# KiCad board FrontEnd_5G.kicad_pcb (continued)
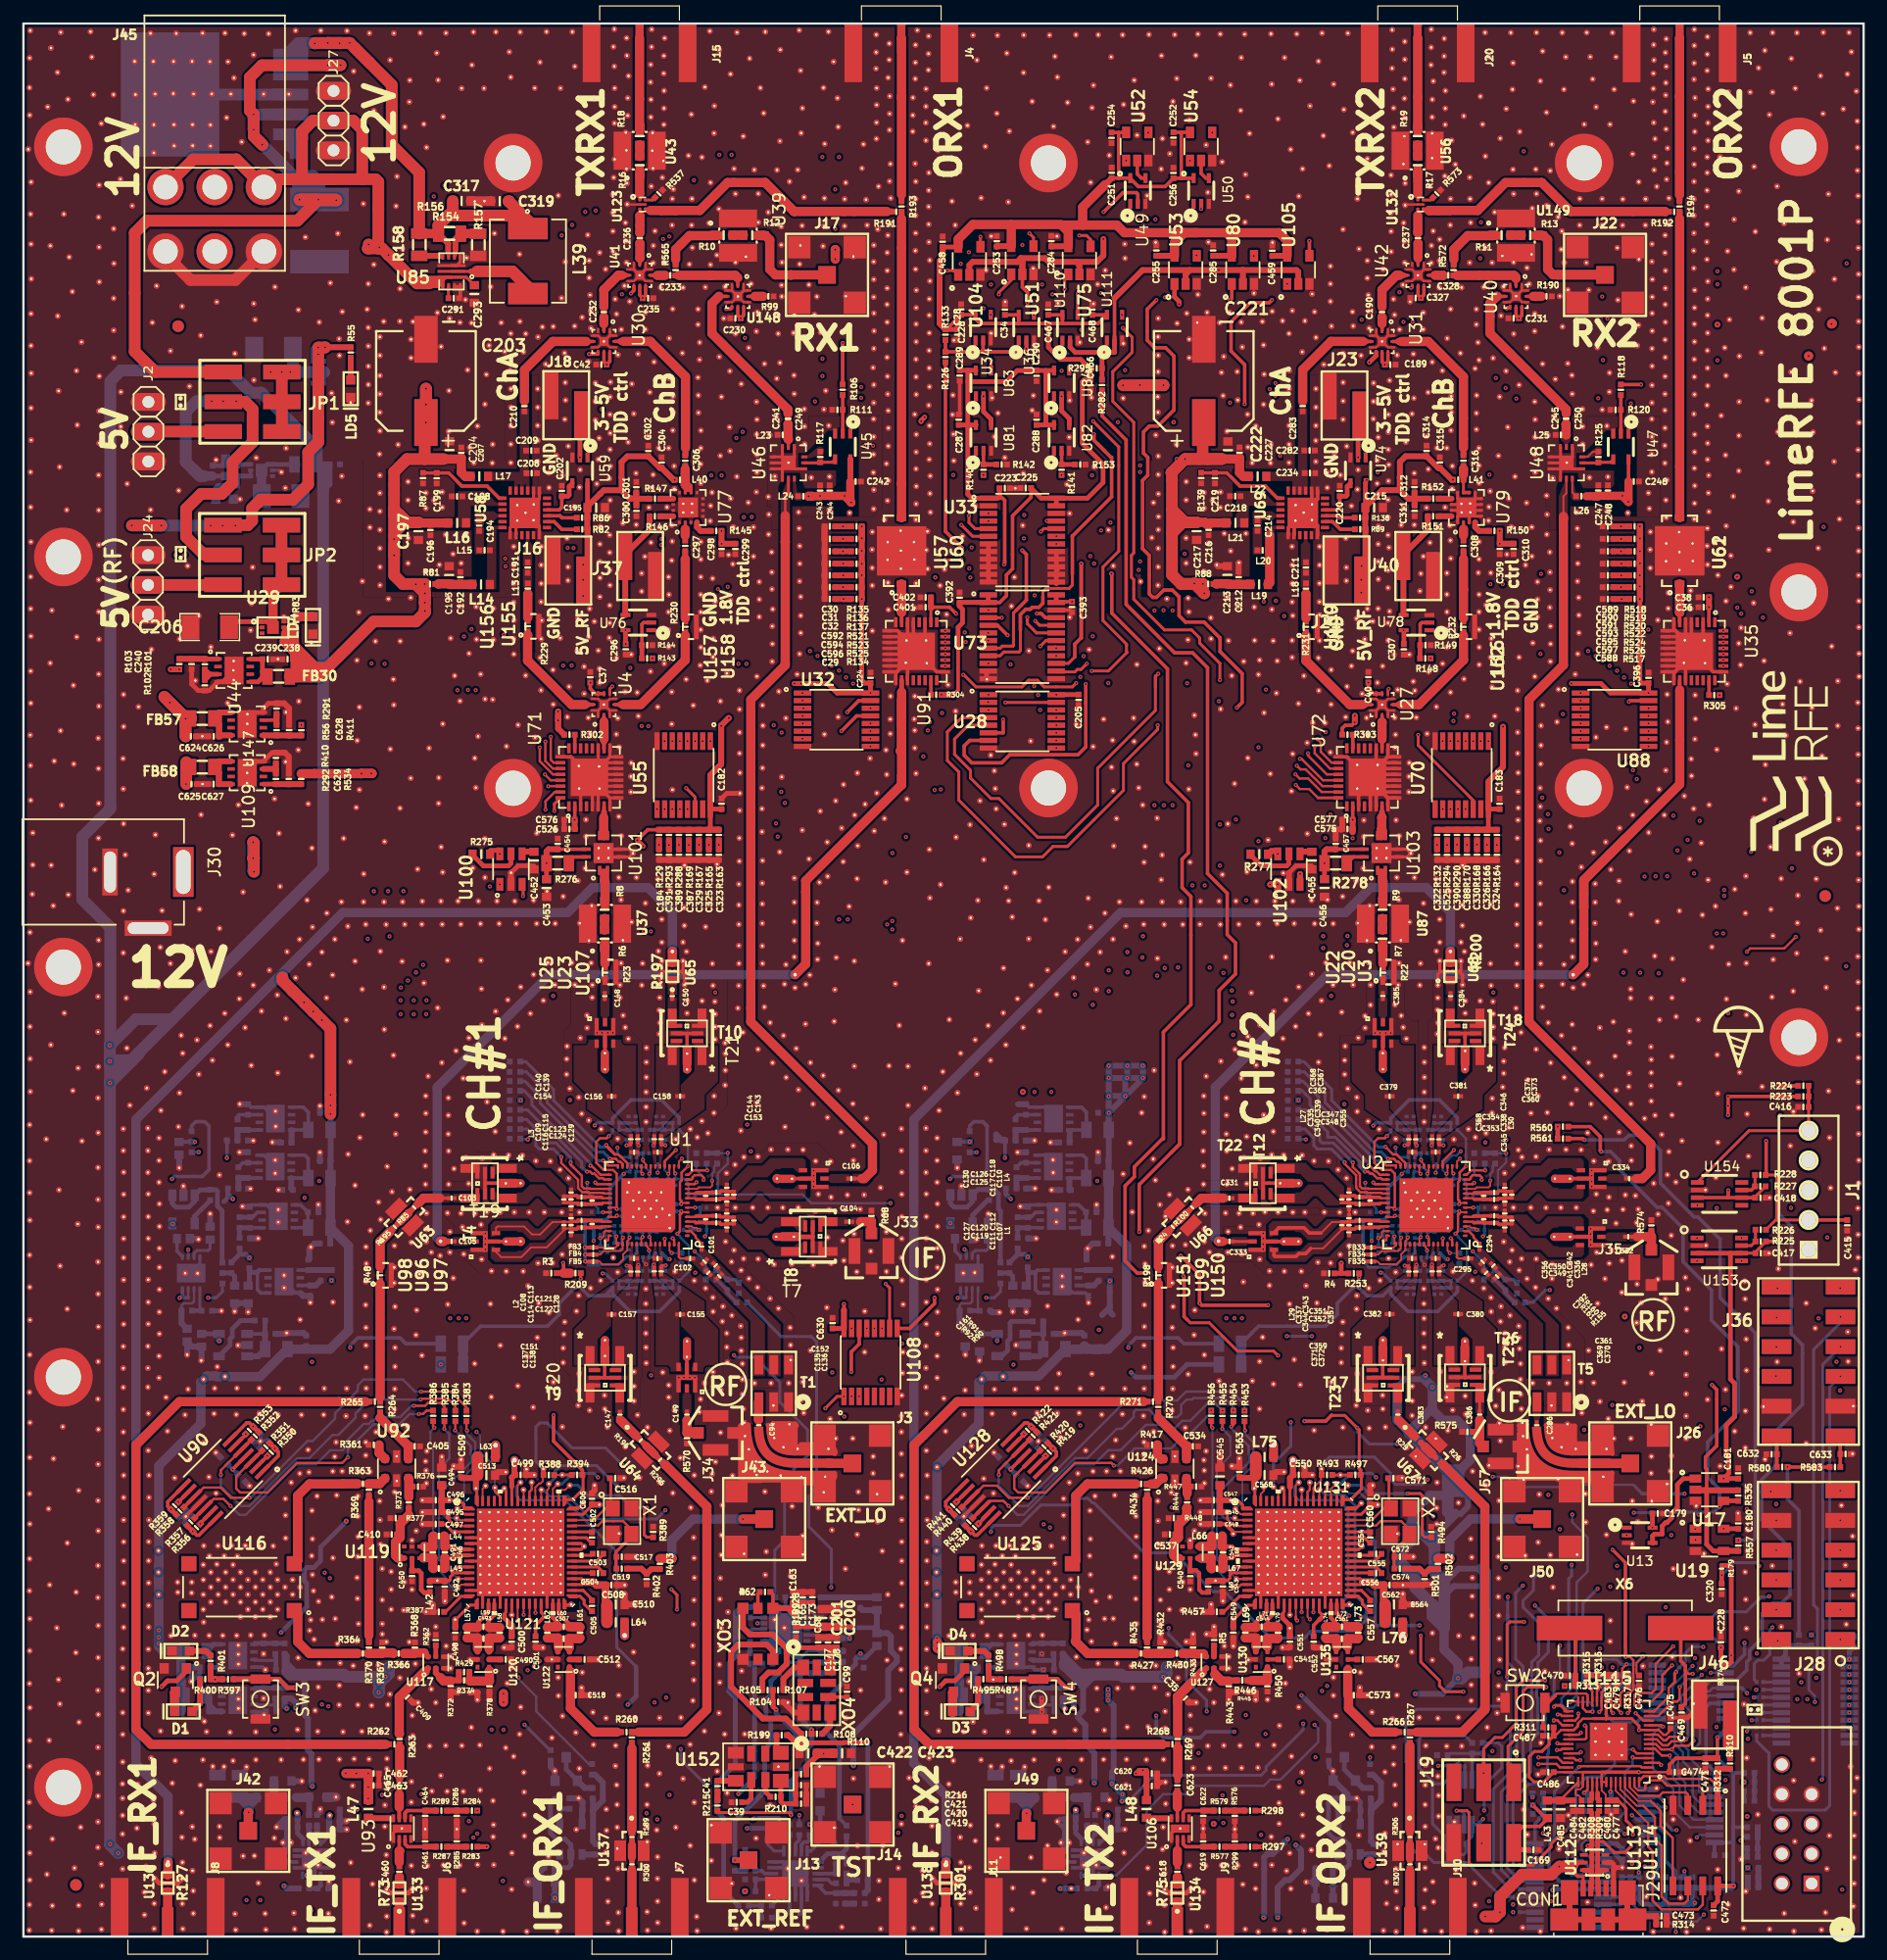
[diagram p0: board, top side]
## Nets (continued)
GND_VIA#1289. GND_VIA#1290. GND_VIA#1291. GND_VIA#1292. GND_VIA#1293. GND_VIA#1294. GND_VIA#1295. GND_VIA#1296. GND_VIA#1297. GND_VIA#1298. GND_VIA#1299. GND_VIA#1300. GND_VIA#1301. GND_VIA#1302. GND_VIA#1303. GND_VIA#1304. GND_VIA#1305. GND_VIA#1306. GND_VIA#1307. GND_VIA#1308. GND_VIA#1309. GND_VIA#1310. GND_VIA#1311. GND_VIA#1312. GND_VIA#1313. GND_VIA#1314. GND_VIA#1315. GND_VIA#1316. GND_VIA#1317. GND_VIA#1318. GND_VIA#1319. GND_VIA#1320. GND_VIA#1321. GND_VIA#1322. GND_VIA#1323. GND_VIA#1324. GND_VIA#1325. GND_VIA#1326. GND_VIA#1327. GND_VIA#1328. GND_VIA#1329. GND_VIA#1330. GND_VIA#1331. GND_VIA#1332. GND_VIA#1333. GND_VIA#1334. GND_VIA#1335. GND_VIA#1336. GND_VIA#1337. GND_VIA#1338. GND_VIA#1339. GND_VIA#1340. GND_VIA#1341. GND_VIA#1342. GND_VIA#1343. GND_VIA#1344. GND_VIA#1345. GND_VIA#1346. GND_VIA#1347. GND_VIA#1348. GND_VIA#1349. GND_VIA#1350. GND_VIA#1351. GND_VIA#1352. GND_VIA#1353. GND_VIA#1354. GND_VIA#1355. GND_VIA#1356. GND_VIA#1357. GND_VIA#1358. GND_VIA#1359. GND_VIA#1360. GND_VIA#1361. GND_VIA#1362. GND_VIA#1363. GND_VIA#1364. GND_VIA#1365. GND_VIA#1366. GND_VIA#1367. GND_VIA#1368. GND_VIA#1369. GND_VIA#1370. GND_VIA#1371. GND_VIA#1372. GND_VIA#1373. GND_VIA#1374. GND_VIA#1375. GND_VIA#1376. GND_VIA#1377. GND_VIA#1378. GND_VIA#1379. GND_VIA#1380. GND_VIA#1381. GND_VIA#1382. GND_VIA#1383. GND_VIA#1384. GND_VIA#1385. GND_VIA#1386. GND_VIA#1387. GND_VIA#1388. GND_VIA#1389. GND_VIA#1390. GND_VIA#1391. GND_VIA#1392. GND_VIA#1393. GND_VIA#1394. GND_VIA#1395. GND_VIA#1396. GND_VIA#1397. GND_VIA#1398. GND_VIA#1399. GND_VIA#1400. GND_VIA#1401. GND_VIA#1402. GND_VIA#1403. GND_VIA#1404. GND_VIA#1406. GND_VIA#1407. GND_VIA#1408. GND_VIA#1409. GND_VIA#1410. GND_VIA#1411. GND_VIA#1412. GND_VIA#1413. GND_VIA#1414. GND_VIA#1415. GND_VIA#1416. GND_VIA#1417. GND_VIA#1418. GND_VIA#1419. GND_VIA#1420. GND_VIA#1421. GND_VIA#1422. GND_VIA#1423. GND_VIA#1424. GND_VIA#1425. GND_VIA#1426. GND_VIA#1427. GND_VIA#1428. GND_VIA#1429. GND_VIA#1430. GND_VIA#1431. GND_VIA#1432. GND_VIA#1433. GND_VIA#1434. GND_VIA#1435. GND_VIA#1436. GND_VIA#1437. GND_VIA#1438. GND_VIA#1439. GND_VIA#1440. GND_VIA#1441. GND_VIA#1442. GND_VIA#1443. GND_VIA#1444. GND_VIA#1445. GND_VIA#1446. GND_VIA#1447. GND_VIA#1448. GND_VIA#1449. GND_VIA#1450. GND_VIA#1451. GND_VIA#1452. GND_VIA#1453. GND_VIA#1454. GND_VIA#1455. GND_VIA#1456. GND_VIA#1457. GND_VIA#1458. GND_VIA#1459. GND_VIA#1460. GND_VIA#1461. GND_VIA#1462. GND_VIA#1463. GND_VIA#1464. GND_VIA#1465. GND_VIA#1466. GND_VIA#1467. GND_VIA#1468. GND_VIA#1469. GND_VIA#1470. GND_VIA#1471. GND_VIA#1472. GND_VIA#1473. GND_VIA#1474. GND_VIA#1475. GND_VIA#1476. GND_VIA#1477. GND_VIA#1478. GND_VIA#1479. GND_VIA#1480. GND_VIA#1481. GND_VIA#1482. GND_VIA#1483. GND_VIA#1484. GND_VIA#1485. GND_VIA#1486. GND_VIA#1487. GND_VIA#1488. GND_VIA#1489. GND_VIA#1490. GND_VIA#1491. GND_VIA#1492. GND_VIA#1493. GND_VIA#1494. GND_VIA#1495. GND_VIA#1496. GND_VIA#1497. GND_VIA#1498. GND_VIA#1499. GND_VIA#1500. GND_VIA#1501. GND_VIA#1502. GND_VIA#1503. GND_VIA#1504. GND_VIA#1505. GND_VIA#1506. GND_VIA#1507. GND_VIA#1508. GND_VIA#1509. GND_VIA#1510. GND_VIA#1511. GND_VIA#1512. GND_VIA#1513. GND_VIA#1514. GND_VIA#1515. GND_VIA#1516. GND_VIA#1517. GND_VIA#1518. GND_VIA#1519. GND_VIA#1520. GND_VIA#1521. GND_VIA#1522. GND_VIA#1523. GND_VIA#1524. GND_VIA#1525. GND_VIA#1526. GND_VIA#1527. GND_VIA#1528. GND_VIA#1529. GND_VIA#1530. GND_VIA#1531. GND_VIA#1532. GND_VIA#1533. GND_VIA#1534. GND_VIA#1535. GND_VIA#1536. GND_VIA#1537. GND_VIA#1538. GND_VIA#1539. GND_VIA#1540. GND_VIA#1541. GND_VIA#1542. GND_VIA#1543. GND_VIA#1544. GND_VIA#1545. GND_VIA#1546. GND_VIA#1547. GND_VIA#1548. GND_VIA#1549. GND_VIA#1550. GND_VIA#1551. GND_VIA#1552. GND_VIA#1553. GND_VIA#1554. GND_VIA#1555. GND_VIA#1556. GND_VIA#1557. GND_VIA#1558. GND_VIA#1559. GND_VIA#1560. GND_VIA#1561. GND_VIA#1562. GND_VIA#1563. GND_VIA#1564. GND_VIA#1565. GND_VIA#1566. GND_VIA#1567. GND_VIA#1568. GND_VIA#1569. GND_VIA#1570. GND_VIA#1571. GND_VIA#1572. GND_VIA#1573. GND_VIA#1574. GND_VIA#1575. GND_VIA#1576. GND_VIA#1577. GND_VIA#1578. GND_VIA#1579. GND_VIA#1580. GND_VIA#1581. GND_VIA#1582. GND_VIA#1583. GND_VIA#1584. GND_VIA#1585. GND_VIA#1586. GND_VIA#1587. GND_VIA#1588. GND_VIA#1589. GND_VIA#1590. GND_VIA#1591. GND_VIA#1592. GND_VIA#1593. GND_VIA#1594. GND_VIA#1595. GND_VIA#1596. GND_VIA#1597. GND_VIA#1598. GND_VIA#1599. GND_VIA#1600. GND_VIA#1601. GND_VIA#1602. GND_VIA#1603. GND_VIA#1604. GND_VIA#1605. GND_VIA#1606. GND_VIA#1607. GND_VIA#1608. GND_VIA#1609. GND_VIA#1610. GND_VIA#1611. GND_VIA#1612. GND_VIA#1613. GND_VIA#1614. GND_VIA#1615. GND_VIA#1616. GND_VIA#1617. GND_VIA#1618. GND_VIA#1619. GND_VIA#1620. GND_VIA#1621. GND_VIA#1622. GND_VIA#1623. GND_VIA#1624. GND_VIA#1625. GND_VIA#1626. GND_VIA#1627. GND_VIA#1628. GND_VIA#1629. GND_VIA#1630. GND_VIA#1631. GND_VIA#1632. GND_VIA#1633. GND_VIA#1634. GND_VIA#1635. GND_VIA#1636. GND_VIA#1637. GND_VIA#1638. GND_VIA#1639. GND_VIA#1640. GND_VIA#1641. GND_VIA#1642. GND_VIA#1643. GND_VIA#1644. GND_VIA#1645. GND_VIA#1646. GND_VIA#1647. GND_VIA#1648. GND_VIA#1649. GND_VIA#1650. GND_VIA#1651. GND_VIA#1652. GND_VIA#1653. GND_VIA#1654. GND_VIA#1655. GND_VIA#1656. GND_VIA#1657. GND_VIA#1658. GND_VIA#1659. GND_VIA#1660. GND_VIA#1661. GND_VIA#1662. GND_VIA#1663. GND_VIA#1664. GND_VIA#1665. GND_VIA#1666. GND_VIA#1667. GND_VIA#1668. GND_VIA#1669. GND_VIA#1670. GND_VIA#1671. GND_VIA#1672. GND_VIA#1673. GND_VIA#1674. GND_VIA#1675. GND_VIA#1676. GND_VIA#1677. GND_VIA#1678. GND_VIA#1679. GND_VIA#1680. GND_VIA#1681. GND_VIA#1682. GND_VIA#1683. GND_VIA#1684. GND_VIA#1685. GND_VIA#1686. GND_VIA#1687. GND_VIA#1688. GND_VIA#1689. GND_VIA#1690. GND_VIA#1691. GND_VIA#1692. GND_VIA#1693. GND_VIA#1694. GND_VIA#1695. GND_VIA#1696. GND_VIA#1697. GND_VIA#1698. GND_VIA#1699. GND_VIA#1700. GND_VIA#1701. GND_VIA#1702. GND_VIA#1703. GND_VIA#1704. GND_VIA#1705. GND_VIA#1706. GND_VIA#1707. GND_VIA#1708. GND_VIA#1709. GND_VIA#1710. GND_VIA#1711. GND_VIA#1712. GND_VIA#1713. GND_VIA#1714. GND_VIA#1715. GND_VIA#1716. GND_VIA#1717. GND_VIA#1718. GND_VIA#1719. GND_VIA#1720. GND_VIA#1721. GND_VIA#1722. GND_VIA#1723. GND_VIA#1724. GND_VIA#1725. GND_VIA#1726. GND_VIA#1727. GND_VIA#1728. GND_VIA#1729. GND_VIA#1730. GND_VIA#1731. GND_VIA#1732. GND_VIA#1733. GND_VIA#1734. GND_VIA#1735. GND_VIA#1736. GND_VIA#1737. GND_VIA#1738. GND_VIA#1739. GND_VIA#1740. GND_VIA#1741. GND_VIA#1742. GND_VIA#1743. GND_VIA#1744. GND_VIA#1745. GND_VIA#1746. GND_VIA#1747. GND_VIA#1748. GND_VIA#1749. GND_VIA#1750. GND_VIA#1751. IC1.5 IC1.6 IC1.7 IC1.8 IC1.10 IC1.13 IC1.15 IC1.16 IC2.5 IC2.6 IC2.7 IC2.8 IC2.10 IC2.13 IC2.15 IC2.16 J1.1 J2.1 J2.3 J3.2 J3.3 J3.4 J3.5 J4.2 J4.3 J4.4 J4.5 J5.2 J5.3 J5.4 J5.5 J6.2 J6.3 J6.4 J6.5 J7.2 J7.3 J7.4 J7.5 J8.2 J8.3 J8.4 J8.5 J9.2 J9.3 J9.4 J9.5 J10.2 J10.3 J10.4 J10.5 J11.2 J11.3 J11.4 J11.5 J13.2 J13.3 J13.4 J13.5 J14.2 J14.3 J14.4 J14.5 J15.2 J15.3 J15.4 J15.5 J16.1 J17.2 J17.3 J17.4 J17.5 J18.1 J19.6 J20.2 J20.3 J20.4 J20.5 J21.1 J22.2 J22.3 J22.4 J22.5 J23.1 J24.1 J24.3 J26.2 J26.3 J26.4 J26.5 J27.1 J27.3 J28.5 J28.11 J29.7 J29.8 J30.2 J33.2 J33.3 J33.4 J34.2 J34.3 J34.4 J35.2 J35.3 J35.4 J36.5 J36.11 J37.2 J40.2 J42.2 J42.3 J42.4 J42.5 J43.2 J43.3 J43.4 J43.5 J45.4 J45.6 J46.2 J49.2 J49.3 J49.4 J49.5 J50.2 J50.3 J50.4 J50.5 J57.2 J57.3 J57.4 L23.2 L25.2 LD1.2 LD4.2 LD5.2 LD6.2 Mounting Pad.1 Mounting Pad#2.1 Mounting Pad#3.1 Mounting Pad#4.1 Mounting Pad#5.1 Mounting Pad#6.1 Mounting Pad#7.1 Mounting Pad#8.1 Mounting Pad#9.1 Mounting Pad#10.1 Mounting Pad#11.1 Mounting Pad#12.1 Mounting Pad#13.1 Mounting Pad#14.1 Q1.2 Q2.2 Q3.2 Q4.2 R2.2 R3.1 R4.1 R5.1 R28.2 R30.2 R32.2 R34.2 R36.2 R41.2 R44.2 R57.1 R65.2 R68.1 R70.1 R74.1 R79.2 R87.1 R99.1 R102.1 R104.1 R111.1 R113.2 R114.2 R120.1 R123.2 R124.2 R131.2 R139.1 R142.1 R144.1 R149.1 R153.1 R157.1 R172.2 R190.1 R208.1 R242.2 R246.2 R252.1 R259.2 R285.2 R286.2 R291.2 R299.2 R314.2 R317.1 R344.2 R346.2 R349.2 R354.2 R355.2 R360.2 R361.1 R362.1 R367.1 R368.1 R372.1 R375.2 R376.1 R377.1 R378.1 R381.2 R387.1 R389.2 R390.2 R391.1 R392.2 R395.2 R396.2 R399.1 R402.1 R410.2 R417.1 R418.2 R423.2 R431.2 R432.1 R433.1 R437.2 R442.2 R443.1 R447.1 R448.1 R450.1 R451.2 R457.1 R458.2 R459.1 R472.2 R492.2 R494.2 R496.2 R500.1 R501.1 R537.1 R558.2 R567.2 R570.2 R573.1 R574.1 R575.1 R576.2 Ref**. Ref**#2. Ref**#3. Ref**#4. Ref**#5. Ref**#6. Ref**#7. Ref**#8. Ref**#10. Ref**#11. Ref**#12. Ref**#13. Ref**#14. Ref**#15. Ref**#16. Ref**#17. Ref**#18. Ref**#19. Ref**#20. Ref**#21. Ref**#22. Ref**#23. Ref**#24. Ref**#25. Ref**#26. Ref**#27. Ref**#28. Ref**#29. Ref**#30. Ref**#31. Ref**#32. Ref**#33. Ref**#34. Ref**#35. Ref**#36. Ref**#37. Ref**#38. Ref**#39. Ref**#40. Ref**#41. Ref**#42. Ref**#43. Ref**#44. Ref**#45. Ref**#46. Ref**#47. Ref**#48. Ref**#49. Ref**#50. Ref**#51. Ref**#52. Ref**#53. Ref**#54. Ref**#55. Ref**#56. Ref**#57. Ref**#58. Ref**#59. Ref**#60. Ref**#61. Ref**#62. Ref**#63. Ref**#64. Ref**#65. Ref**#66. Ref**#67. Ref**#68. Ref**#69. Ref**#70. Ref**#71. Ref**#72. Ref**#73. Ref**#74. Ref**#75. Ref**#76. Ref**#78. Ref**#79. Ref**#80. Ref**#81. Ref**#82. Ref**#83. Ref**#84. Ref**#85. Ref**#86. Ref**#87. Ref**#88. Ref**#89. Ref**#90. Ref**#91. Ref**#92. Ref**#93. Ref**#94. Ref**#97. Ref**#98. Ref**#99. Ref**#100. Ref**#101. Ref**#102. Ref**#103. Ref**#104. Ref**#105. Ref**#106. Ref**#107. Ref**#108. Ref**#109. Ref**#110. Ref**#111. Ref**#112. Ref**#113. Ref**#116. Ref**#117. Ref**#119. Ref**#120. Ref**#121. Ref**#122. Ref**#123. Ref**#124. Ref**#125. Ref**#126. Ref**#127. Ref**#128. Ref**#129. Ref**#130. Ref**#131. Ref**#132. Ref**#133. Ref**#134. Ref**#135. Ref**#136. Ref**#137. Ref**#138. Ref**#139. Ref**#140. Ref**#141. Ref**#142. Ref**#143. Ref**#144. Ref**#145. Ref**#146. Ref**#147. Ref**#148. Ref**#149. Ref**#150. Ref**#151. Ref**#152. Ref**#153. Ref**#154. Ref**#155. Ref**#156. Ref**#157. Ref**#158. Ref**#159. Ref**#160. Ref**#161. Ref**#162. Ref**#163. Ref**#164. Ref**#165. Ref**#166. Ref**#167. Ref**#168. Ref**#169. Ref**#170. Ref**#171. Ref**#172. Ref**#173. Ref**#174. Ref**#175. Ref**#176. Ref**#177. Ref**#178. Ref**#179. Ref**#180. Ref**#181. Ref**#182. Ref**#183. Ref**#184. Ref**#185. Ref**#186. Ref**#187. Ref**#188. Ref**#189. Ref**#190. Ref**#191. Ref**#192. Ref**#193. Ref**#194. Ref**#195. Ref**#196. Ref**#197. Ref**#198. Ref**#199. Ref**#200. Ref**#201. Ref**#202. Ref**#203. Ref**#204. Ref**#205. Ref**#206. Ref**#207. Ref**#208. Ref**#209. Ref**#210. Ref**#211. Ref**#212. Ref**#213. Ref**#214. Ref**#215. Ref**#216. Ref**#217. Ref**#218. Ref**#219. Ref**#220. Ref**#221. Ref**#222. Ref**#223. Ref**#224. Ref**#225. Ref**#226. Ref**#227. Ref**#228. Ref**#229. Ref**#230. Ref**#231. Ref**#232. Ref**#233. Ref**#234. Ref**#235. Ref**#236. Ref**#237. Ref**#238. Ref**#239. Ref**#240. Ref**#241. Ref**#242. Ref**#243. Ref**#244. Ref**#245. Ref**#246. Ref**#247. Ref**#248. Ref**#249. Ref**#250. Ref**#251. Ref**#252. Ref**#253. Ref**#254. Ref**#255. Ref**#256. Ref**#257. Ref**#258. Ref**#259. Ref**#260. Ref**#261. Ref**#262. Ref**#263. Ref**#264. Ref**#265. Ref**#266. Ref**#267. Ref**#268. Ref**#269. Ref**#270. Ref**#271. Ref**#272. Ref**#273. Ref**#274. Ref**#275. Ref**#276. Ref**#277. Ref**#278. Ref**#279. Ref**#280. Ref**#288. Ref**#297. Ref**#299. Ref**#306. Ref**#307. Ref**#308. Ref**#311. Ref**#312. Ref**#313. Ref**#315. Ref**#316. Ref**#319. Ref**#321. Ref**#326. Ref**#333. Ref**#334. Ref**#338. Ref**#339. Ref**#340. Ref**#341. Ref**#342. Ref**#343. Ref**#344. Ref**#347. Ref**#349. Ref**#350. Ref**#351. Ref**#357. Ref**#359. Ref**#360. Ref**#361. Ref**#362. Ref**#363. Ref**#364. Ref**#365. Ref**#366. Ref**#367. Ref**#368. Ref**#369. Ref**#370. Ref**#371. Ref**#372. Ref**#373. Ref**#374. Ref**#375. Ref**#376. Ref**#377. Ref**#378. Ref**#379. Ref**#380. Ref**#381. Ref**#382. Ref**#383. Ref**#384. Ref**#385. Ref**#386. Ref**#387. Ref**#388. Ref**#389. Ref**#390. Ref**#391. Ref**#392. Ref**#393. Ref**#394. Ref**#395. Ref**#396. Ref**#397. Ref**#398. Ref**#399. Ref**#400. Ref**#401. Ref**#402. Ref**#403. Ref**#404. Ref**#405. Ref**#406. Ref**#407. Ref**#408. Ref**#409. Ref**#410. Ref**#411. Ref**#412. Ref**#413. Ref**#414. Ref**#415. Ref**#416. Ref**#418. Ref**#420. Ref**#421. Ref**#422. Ref**#423. Ref**#424. Ref**#425. Ref**#426. Ref**#427. Ref**#428. Ref**#429. Ref**#430. Ref**#431. Ref**#432. Ref**#433. Ref**#434. Ref**#435. Ref**#436. Ref**#437. Ref**#438. Ref**#439. Ref**#440. Ref**#441. Ref**#442. Ref**#443. Ref**#444. Ref**#445. Ref**#446. Ref**#447. Ref**#448. Ref**#449. Ref**#450. Ref**#451. Ref**#452. Ref**#453. Ref**#454. Ref**#455. Ref**#456. Ref**#457. Ref**#458. Ref**#459. Ref**#460. Ref**#461. Ref**#462. Ref**#463. Ref**#468. Ref**#469. Ref**#470. Ref**#471. Ref**#472. Ref**#473. Ref**#474. Ref**#475. Ref**#476. Ref**#477. Ref**#478. Ref**#479. Ref**#480. Ref**#481. Ref**#482. Ref**#483. Ref**#484. Ref**#485. Ref**#486. Ref**#487. Ref**#488. Ref**#489. Ref**#490. Ref**#491. Ref**#492. Ref**#493. Ref**#494. Ref**#495. Ref**#496. Ref**#497. Ref**#498. Ref**#499. Ref**#500. Ref**#501. Ref**#502. Ref**#503. Ref**#504. Ref**#505. Ref**#506. Ref**#507. Ref**#508. Ref**#509. Ref**#510. Ref**#511. Ref**#512. Ref**#513. Ref**#514. Ref**#515. Ref**#516. Ref**#517. Ref**#518. Ref**#519. Ref**#520. Ref**#521. Ref**#522. Ref**#523. Ref**#524. Ref**#525. Ref**#526. Ref**#527. Ref**#528. Ref**#530. Ref**#531. Ref**#532. Ref**#533. Ref**#534. Ref**#535. Ref**#536. Ref**#537. Ref**#538. Ref**#539. Ref**#540. Ref**#541. Ref**#542. Ref**#543. Ref**#544. Ref**#545. Ref**#546. Ref**#547. Ref**#548. Ref**#549. Ref**#550. Ref**#551. Ref**#552. Ref**#553. Ref**#554. Ref**#555. Ref**#556. Ref**#557. Ref**#558. Ref**#559. Ref**#560. Ref**#561. Ref**#562. Ref**#563. Ref**#564. Ref**#565. Ref**#566. Ref**#567. Ref**#568. Ref**#569. Ref**#570. Ref**#571. Ref**#572. Ref**#573. Ref**#574. Ref**#575. Ref**#576. Ref**#577. Ref**#578. Ref**#579. Ref**#580. Ref**#581. Ref**#582. Ref**#583. Ref**#584. Ref**#585. Ref**#586. Ref**#587. Ref**#588. Ref**#589. Ref**#590. Ref**#591. Ref**#592. Ref**#593. Ref**#594. Ref**#595. Ref**#596. Ref**#597. Ref**#598. Ref**#599. Ref**#600. Ref**#601. Ref**#602. Ref**#603. Ref**#604. Ref**#605. Ref**#606. Ref**#607. Ref**#608. Ref**#609. Ref**#610. Ref**#611. Ref**#612. Ref**#613. Ref**#614. Ref**#615. Ref**#616. Ref**#617. Ref**#618. Ref**#619. Ref**#620. Ref**#621. Ref**#622. Ref**#623. Ref**#624. Ref**#625. Ref**#626. Ref**#627. Ref**#628. Ref**#629. Ref**#630. Ref**#631. Ref**#632. Ref**#633. Ref**#634. Ref**#635. Ref**#636. Ref**#637. Ref**#638. Ref**#639. Ref**#640. Ref**#641. Ref**#642. Ref**#643. Ref**#644. Ref**#645. Ref**#646. Ref**#647. Ref**#648. Ref**#649. Ref**#650. Ref**#651. Ref**#652. Ref**#653. Ref**#654. Ref**#655. Ref**#656. Ref**#657. Ref**#658. Ref**#659. Ref**#660. Ref**#661. Ref**#662. Ref**#663. Ref**#664. Ref**#665. Ref**#666. Ref**#667. Ref**#668. Ref**#669. Ref**#670. Ref**#671. Ref**#672. Ref**#673. Ref**#674. Ref**#675. Ref**#676. Ref**#677. Ref**#678. Ref**#679. Ref**#680. Ref**#681. Ref**#682. Ref**#683. Ref**#684. Ref**#685. Ref**#686. Ref**#687. Ref**#688. Ref**#689. Ref**#690. Ref**#691. Ref**#692. Ref**#693. Ref**#694. Ref**#695. Ref**#696. Ref**#697. Ref**#698. Ref**#699. Ref**#700. Ref**#701. Ref**#702. Ref**#703. Ref**#704. Ref**#705. Ref**#706. Ref**#707. Ref**#708. Ref**#709. Ref**#710. Ref**#711. Ref**#712. Ref**#713. Ref**#714. Ref**#715. Ref**#716. Ref**#717. Ref**#718. Ref**#719. Ref**#720. Ref**#721. Ref**#722. Ref**#723. Ref**#724. Ref**#725. Ref**#726. Ref**#727. Ref**#728. Ref**#729. Ref**#730. Ref**#731. Ref**#732. Ref**#733. Ref**#734. Ref**#735. Ref**#736. Ref**#737. Ref**#738. Ref**#739. Ref**#740. Ref**#741. Ref**#742. Ref**#743. Ref**#744. Ref**#745. Ref**#746. Ref**#747. Ref**#748. Ref**#749. Ref**#750. Ref**#751. Ref**#752. Ref**#753. Ref**#754. Ref**#755. Ref**#756. Ref**#757. Ref**#758. Ref**#759. Ref**#760. Ref**#761. Ref**#762. Ref**#763. Ref**#764. Ref**#765. Ref**#766. Ref**#767. Ref**#768. Ref**#769. Ref**#770. Ref**#771. Ref**#772. Ref**#773. Ref**#774. Ref**#775. Ref**#776. Ref**#777. Ref**#778. Ref**#779. Ref**#780. Ref**#781. Ref**#782. Ref**#783. Ref**#784. Ref**#785. Ref**#786. Ref**#787. Ref**#788. Ref**#789. Ref**#790. Ref**#791. Ref**#792. Ref**#793. Ref**#794. Ref**#795. Ref**#796. Ref**#797. Ref**#798. Ref**#799. Ref**#800. Ref**#801. Ref**#802. Ref**#803. Ref**#804. Ref**#805. Ref**#806. Ref**#807. Ref**#808. Ref**#809. Ref**#810. Ref**#811. Ref**#812. Ref**#813. Ref**#814. Ref**#815. Ref**#816. Ref**#817. Ref**#818. Ref**#819. Ref**#820. Ref**#821. Ref**#822. Ref**#823. Ref**#824. Ref**#825. Ref**#826. Ref**#827. Ref**#828. Ref**#829. Ref**#830. Ref**#832. Ref**#833. Ref**#834. Ref**#835. Ref**#836. Ref**#837. Ref**#838. Ref**#839. Ref**#840. Ref**#841. Ref**#842. Ref**#843. Ref**#844. Ref**#845. Ref**#846. Ref**#847. Ref**#848. Ref**#849. Ref**#850. Ref**#851. Ref**#852. Ref**#853. Ref**#854. Ref**#855. Ref**#856. Ref**#857. Ref**#858. Ref**#859. Ref**#860. Ref**#861. Ref**#862. Ref**#863. Ref**#864. Ref**#865. Ref**#866. Ref**#867. Ref**#868. Ref**#869. Ref**#870. Ref**#871. Ref**#872. Ref**#873. Ref**#874. Ref**#875. Ref**#876. Ref**#877. Ref**#878. Ref**#879. Ref**#880. Ref**#881. Ref**#882. Ref**#883. Ref**#884. Ref**#885. Ref**#886. Ref**#887. Ref**#888. Ref**#889. Ref**#890. Ref**#891. Ref**#892. Ref**#893. Ref**#894. Ref**#895. Ref**#896. Ref**#897. Ref**#898. Ref**#899. Ref**#900. Ref**#901. Ref**#902. Ref**#903. Ref**#904. Ref**#905. Ref**#906. Ref**#907. Ref**#908. Ref**#909. Ref**#910. Ref**#911. Ref**#912. Ref**#913. Ref**#914. Ref**#915. Ref**#916. Ref**#917. Ref**#918. Ref**#919. Ref**#920. Ref**#921. Ref**#922. Ref**#923. Ref**#924. Ref**#925. Ref**#926. Ref**#927. Ref**#928. Ref**#929. Ref**#930. Ref**#931. Ref**#932. Ref**#933. Ref**#934. Ref**#935. Ref**#936. Ref**#937. Ref**#938. Ref**#939. Ref**#940. Ref**#941. Ref**#942. Ref**#943. Ref**#944. Ref**#945. Ref**#946. Ref**#947. Ref**#948. Ref**#949. Ref**#950. Ref**#951. Ref**#952. Ref**#953. Ref**#954. Ref**#955. Ref**#956. Ref**#957. Ref**#958. Ref**#959. Ref**#960. Ref**#961. Ref**#962. Ref**#963. Ref**#964. Ref**#965. Ref**#966. Ref**#967. Ref**#968. Ref**#969. Ref**#970. Ref**#971. Ref**#972. Ref**#973. Ref**#974. Ref**#975. Ref**#976. Ref**#977. Ref**#978. Ref**#979. Ref**#980. Ref**#981. Ref**#982. Ref**#983. Ref**#984. Ref**#985. Ref**#986. Ref**#987. Ref**#988. Ref**#989. Ref**#990. Ref**#991. Ref**#992. Ref**#993. Ref**#994. Ref**#995. Ref**#996. Ref**#997. Ref**#998. Ref**#999. Ref**#1000. Ref**#1001. Ref**#1002. Ref**#1003. Ref**#1004. Ref**#1005. Ref**#1006. Ref**#1007. Ref**#1008. Ref**#1009. Ref**#1010. Ref**#1011. Ref**#1012. Ref**#1013. Ref**#1014. Ref**#1015. Ref**#1016. Ref**#1017. Ref**#1018. Ref**#1019. Ref**#1020. Ref**#1021. Ref**#1022. Ref**#1023. Ref**#1024. Ref**#1025. Ref**#1026. Ref**#1027. Ref**#1028. Ref**#1029. Ref**#1030. Ref**#1031. Ref**#1032. Ref**#1033. Ref**#1034. Ref**#1035. Ref**#1036. Ref**#1037. Ref**#1038. Ref**#1039. Ref**#1040. Ref**#1041. Ref**#1042. Ref**#1043. Ref**#1044. Ref**#1045. Ref**#1046. Ref**#1047. Ref**#1048. Ref**#1050. Ref**#1051. Ref**#1052. Ref**#1053. Ref**#1054. Ref**#1055. Ref**#1056. Ref**#1057. Ref**#1058. Ref**#1059. Ref**#1060. Ref**#1061. Ref**#1062. Ref**#1063. Ref**#1064. Ref**#1065. Ref**#1066. Ref**#1067. Ref**#1068. Ref**#1069. Ref**#1071. Ref**#1072. Ref**#1073. Ref**#1074. Ref**#1075. Ref**#1076. Ref**#1077. Ref**#1078. Ref**#1079. Ref**#1080. Ref**#1081. Ref**#1082. Ref**#1083. Ref**#1084. Ref**#1085. Ref**#1086. Ref**#1087. Ref**#1088. Ref**#1089. Ref**#1090. Ref**#1091. Ref**#1092. Ref**#1093. Ref**#1094. Ref**#1095. Ref**#1096. Ref**#1097. Ref**#1098. Ref**#1099. Ref**#1100. Ref**#1101. Ref**#1102. Ref**#1103. Ref**#1104. Ref**#1105. Ref**#1106. Ref**#1107. Ref**#1108. Ref**#1109. Ref**#1110. Ref**#1111. Ref**#1112. Ref**#1113. Ref**#1114. Ref**#1115. Ref**#1116. Ref**#1117. Ref**#1118. Ref**#1119. Ref**#1120. Ref**#1121. Ref**#1122. Ref**#1123. Ref**#1124. Ref**#1125. Ref**#1126. Ref**#1127. Ref**#1128. Ref**#1129. Ref**#1130. Ref**#1131. Ref**#1132. Ref**#1133. Ref**#1134. 